# Allegro board RK3576_Template_LP5D315P132SD8_25x36_2400MHz_H1R0_V11_20240530YWQ.brd (continued)
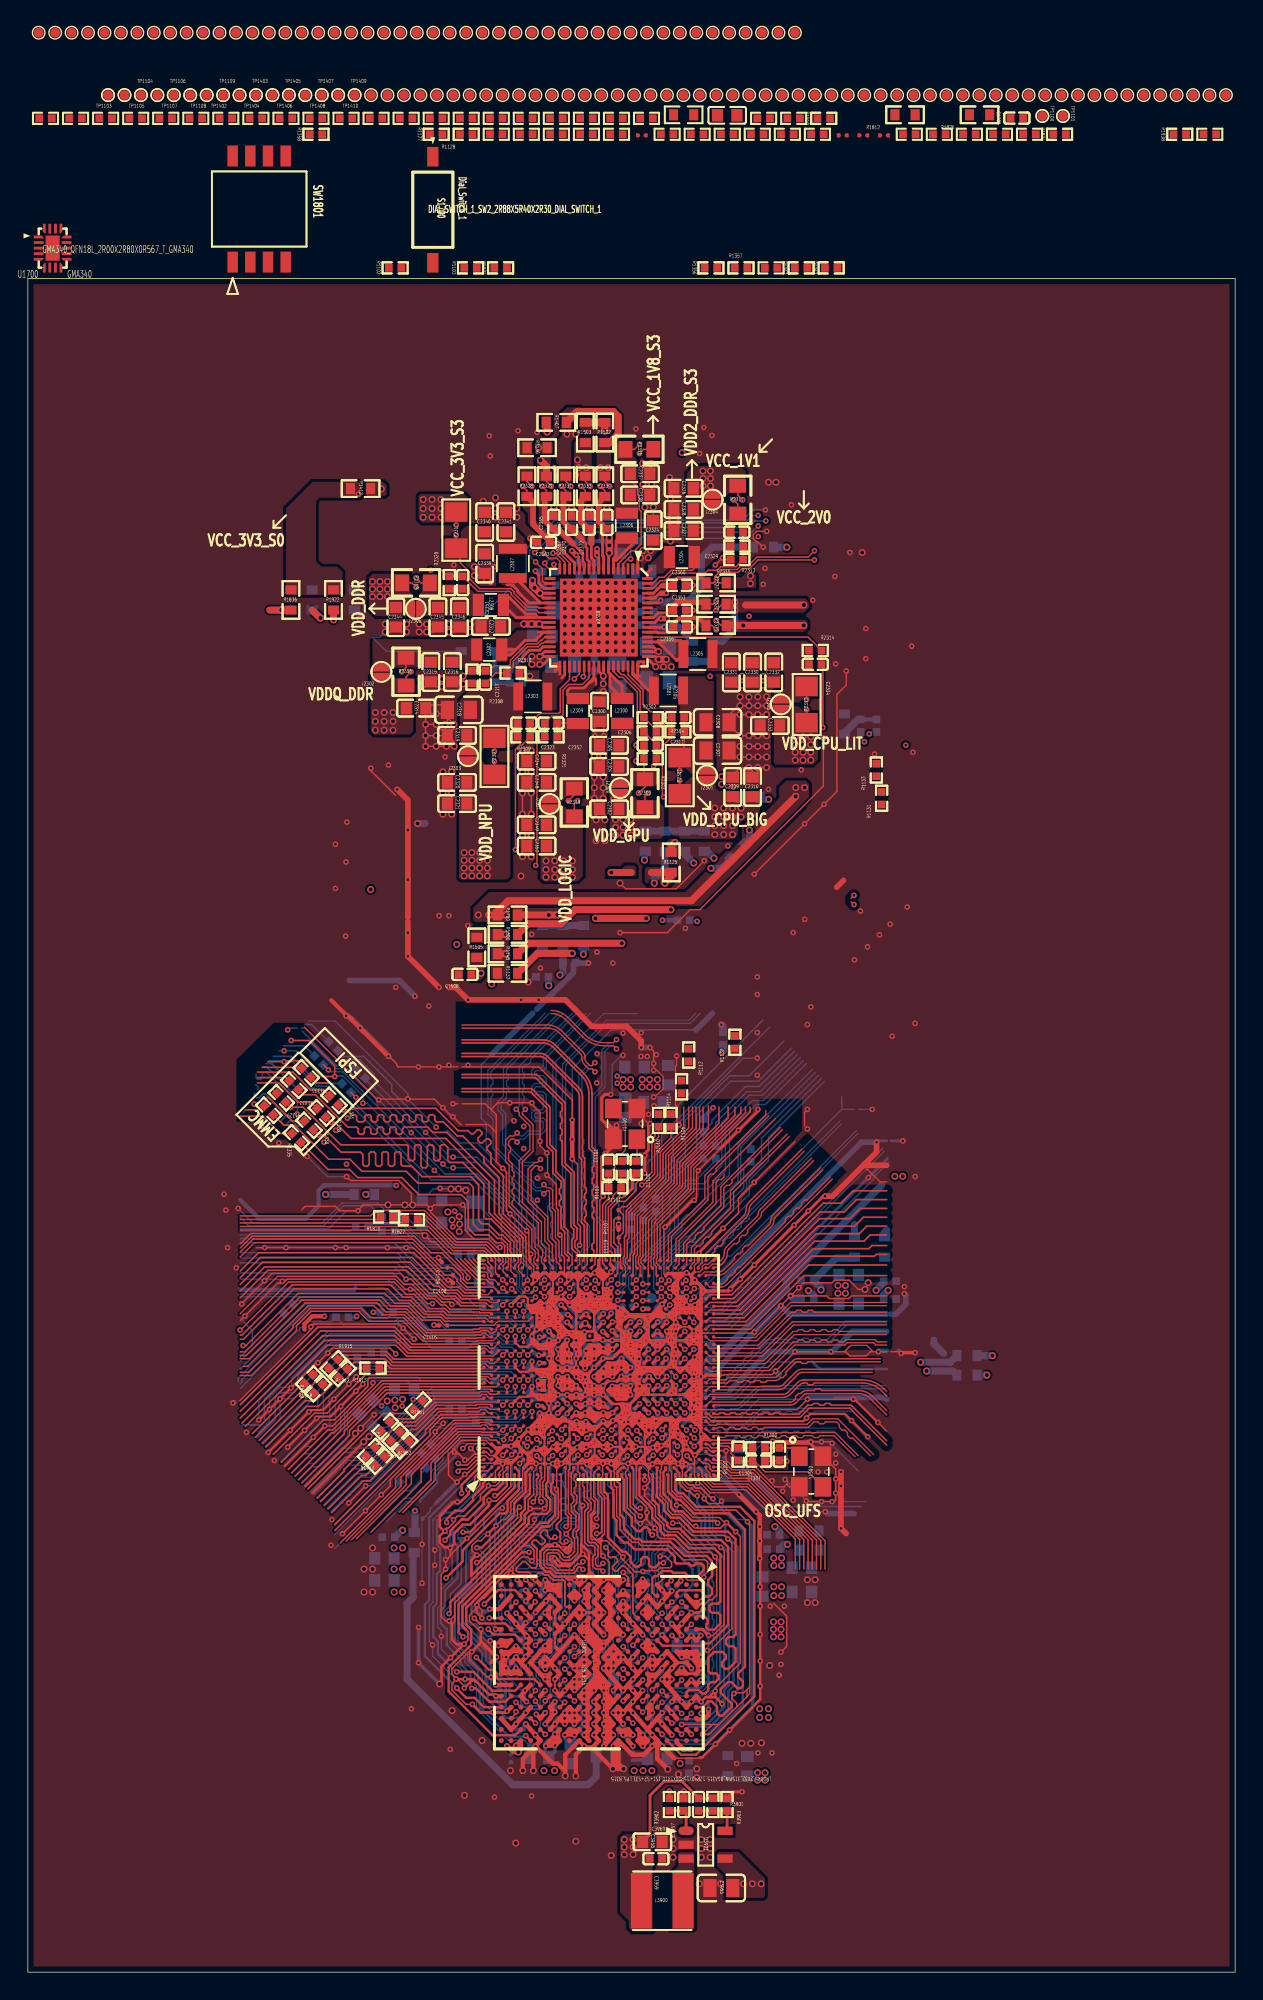
[diagram p0: board, top side]
## Footprints (pads in the part's own frame, mm; a bottom-side part is the same pattern mirrored in y, then rotated) (continued)
C0201
  custom 0.294x0.3 smd: 1(-0.275,0) 2(0.275,0)
C0402
  rect 0.55x0.55 smd: 1(-0.45,0) 2(0.45,0)
C0402_BGA
  custom 0.475x0.51 smd: 1(-0.47,0) 2(0.47,0)
C0603
  rect 0.8x0.9 smd: 1(-0.7,0) 2(0.7,0)
C0805
  rect 0.95x1.3 smd: 1(-0.825,0) 2(0.825,0)
CRY4_3R20X2R50X0R80
  rect 1.4x1.2 smd: 1(-1.1,-0.85) 2(1.1,-0.85) 3(1.1,0.85) 4(-1.1,0.85)
ESD0603
  rect 0.6x1 smd: 1(-0.61,-0.02) 2(0.597,0)
IND_201610
  rect 0.8x1.6 smd: 1(-0.9,0) 2(0.9,0)
IND_252012
  rect 0.7x2 smd: 1(-1.05,0) 2(1.05,0)
IND_404026
  rect 1.5x4 smd: 1(-1.5,0) 2(1.5,0)
OPEN
  custom 1.199x0.599 smd: 1(0,-0.343) 2(0,0.343)
QFN18L_2R00X2R80X0R567_T
  custom 0.7x0.2 smd: 1(-1,0.8) 5(-1,-0.8) 10(1,-0.8) 14(1,0.8)
  rect 0.7x0.2 smd: 2(-1,0.4) 3(-1,0) 4(-1,-0.4) 11(1,-0.4) 12(1,0) 13(1,0.4)
  custom 0.2x0.7 smd: 6(-0.6,-1.4) 9(0.6,-1.4) 15(0.6,1.4) 18(-0.6,1.4)
  rect 0.2x0.7 smd: 7(-0.2,-1.4) 8(0.2,-1.4) 16(0.2,1.4) 17(-0.2,1.4)
  rect 1x1.8 smd: 19(0,0)
QFN68_7R00X7R00X0R80_T
  oval 0.8x0.2 smd: 1(-3.5,2.8)
  rect 0.8x0.2 smd: 2(-3.5,2.45) 3(-3.5,2.1) 4(-3.5,1.75) 5(-3.5,1.4) 6(-3.5,1.05) 7(-3.5,0.7) 8(-3.5,0.35) 9(-3.5,0) 10(-3.5,-0.35) 11(-3.5,-0.7) 12(-3.5,-1.05) 13(-3.5,-1.4) 14(-3.5,-1.75) 15(-3.5,-2.1) 16(-3.5,-2.45) 17(-3.5,-2.8) 35(3.5,-2.8) 36(3.5,-2.45) 37(3.5,-2.1) 38(3.5,-1.75) 39(3.5,-1.4) 40(3.5,-1.05) 41(3.5,-0.7) 42(3.5,-0.35) 43(3.5,0) 44(3.5,0.35) 45(3.5,0.7) 46(3.5,1.05) 47(3.5,1.4) 48(3.5,1.75) 49(3.5,2.1) 50(3.5,2.45) 51(3.5,2.8)
  rect 0.2x0.8 smd: 18(-2.8,-3.5) 19(-2.45,-3.5) 20(-2.1,-3.5) 21(-1.75,-3.5) 22(-1.4,-3.5) 23(-1.05,-3.5) 24(-0.7,-3.5) 25(-0.35,-3.5) 26(0,-3.5) 27(0.35,-3.5) 28(0.7,-3.5) 29(1.05,-3.5) 30(1.4,-3.5) 31(1.75,-3.5) 32(2.1,-3.5) 33(2.45,-3.5) 34(2.8,-3.5) 52(2.8,3.5) 53(2.45,3.5) 54(2.1,3.5) 55(1.75,3.5) 56(1.4,3.5) 57(1.05,3.5) 58(0.7,3.5) 59(0.35,3.5) 60(0,3.5) 61(-0.35,3.5) 62(-0.7,3.5) 63(-1.05,3.5) 64(-1.4,3.5) 65(-1.75,3.5) 66(-2.1,3.5) 67(-2.45,3.5) 68(-2.8,3.5)
  rect 5.6x5.6 smd: 69(0,0)
R0201
  custom 0.294x0.3 smd: 1(-0.275,0) 2(0.275,0)
R0402
  rect 0.55x0.55 smd: 1(-0.45,0) 2(0.45,0)
R0603
  rect 0.65x0.8 smd: 1(-0.725,0) 2(0.725,0)
R0805
  rect 1x1.2 smd: 1(-1,0) 2(1,0)
R1206
  rect 1.4x1.6 smd: 1(-1.3,0) 2(1.3,0)
SOD_323
  rect 0.8x0.6 smd: 1(-1.2,0) 2(1.2,0)
SOT_23_5
  oval 1.1x0.6 smd: 1(-1.4,1)
  rect 1.1x0.6 smd: 2(-1.4,0) 3(-1.4,-1) 4(1.4,-1) 5(1.4,1)
SW2_2R88X5R40X2R30
  rect 0.8x1.4 smd: 1(0,3.81) 2(0,-3.81)
SW8_5R68X5R40X2R30
  rect 0.75x1.5 smd: 1(-1.905,-3.81) 2(-0.635,-3.81) 3(0.635,-3.81) 4(1.905,-3.81) 5(1.905,3.81) 6(0.635,3.81) 7(-0.635,3.81) 8(-1.905,3.81)
TP_0R70
  round 0.7 smd: 1(0,0)

## Nets
GND: C1000.2 C1001.2 C1002.2 C1003.2 C1004.2 C1005.2 C1006.2 C1007.2 C1008.2 C1009.2 C1010.2 C1011.2 C1012.2 C1013.2 C1014.2 C1015.2 C1016.2 C1017.2 C1018.2 C1020.2 C1021.2 C1022.2 C1023.2 C1024.2 C1026.2 C1027.2 C1028.2 C1029.2 C1030.2 C1031.2 C1032.2 C1033.2 C1034.2 C1035.2 C1036.2 C1037.2 C1038.2 C1039.2 C1040.2 C1100.2 C1101.2 C1102.2 C1103.2 C1104.2 C1105.2 C1106.2 C1107.2 C1108.2 C1109.2 C1110.2 C1111.2 C1112.2 C1113.2 C1114.2 C1115.2 C1116.2 C1117.2 C1118.2 C1119.2 C1200.2 C1201.2 C1202.2 C1203.2 C1204.2 C1205.2 C1206.2 C1207.2 C1208.2 C1209.2 C1210.2 C1211.2 C1214.2 C1300.2 C1301.2 C1302.2 C1303.2 C1304.2 C1305.2 C1306.2 C1307.2 C1308.2 C1309.2 C1400.2 C1401.2 C1402.2 C1403.2 C1404.2 C1405.2 C1406.2 C1407.2 C1408.2 C1409.2 C1500.2 C1501.2 C1502.2 C1503.2 C1504.2 C1505.2 C1506.2 C1507.2 C1508.2 C1509.2 C1510.2 C1600.2 C1601.2 C1602.2 C1603.2 C1700.2 C1701.2 C1702.2 C1703.2 C1704.2 C1705.2 C1706.2 C1800.2 C1801.2 C1802.2 C1900.2 C1901.2 C1902.2 C1903.2 C2300.2 C2301.2 C2302.2 C2304.2 C2305.2 C2307.2 C2308.2 C2309.2 C2310.2 C2312.2 C2313.2 C2314.2 C2315.2 C2316.2 C2318.2 C2319.2 C2320.2 C2321.2 C2324.2 C2325.2 C2326.2 C2327.2 C2328.2 C2330.2 C2331.2 C2332.2 C2333.2 C2335.2 C2336.2 C2337.2 C2338.2 C2339.2 C2340.2 C2341.2 C2342.2 C2343.2 C2344.2 C2345.2 C2346.2 C2347.2 C2348.2 C2349.2 C2350.2 C2353.2 C2354.2 C2355.2 C2356.2 C2357.2 C2358.2 C2359.2 C2360.2 C2362.2 C2363.2 C2364.2 C2365.2 C2366.2 C2367.2 C2368.2 C2369.2 C2370.2 C2371.2 C2372.2 C3900.2 C3901.2 C3902.2 C3903.2 C3904.2 C3905.2 C3906.2 C3907.2 C3908.2 C3909.2 C3910.2 C3911.2 C3912.2 C3913.2 C3914.2 C3915.2 C3916.2 C3917.2 C3918.2 C3919.2 C3920.2 C3921.2 C3922.2 C3923.2 C3924.2 C3925.2 C3926.2 C3927.2 C3928.2 C3929.2 C3930.2 C3931.2 C3932.2 C3933.2 C3934.2 C3935.2 C3936.2 C3937.2 C3938.2 C3939.2 C3940.2 C3941.2 C3942.2 C3943.2 C3944.2 C3945.2 C3946.2 C3947.2 C3948.2 C3949.2 C3950.2 C3951.2 C3952.2 C3953.2 C3954.2 C3955.2 C3956.2 C3958.2 C3959.2 C3960.2 C3961.2 C3962.2 C3963.2 C3964.2 C3965.2 C3966.2 C3967.2 C3968.2 C3969.2 C3970.2 D2300.2(ANODE) D2301.1(A) R1103.2 R1203.2 R1301.2 R1400.2 R1401.2 R1402.2 R1406.2 R1600.2 R1712.1 R2305.2 R2310.2 R2315.2 R2332.2 R3903.2 S1700.2(A2) U1000.1A2(VSS_7) U1000.1A3(VSS_8) U1000.1AA2(VSS_91) U1000.1AA4(VSS_92) U1000.1AA21(VSS_93) U1000.1AA24(VSS_94) U1000.1AB2(VSS_95) U1000.1AB5(VSS_96) U1000.1AB6(VSS_97) U1000.1AB20(AVSS_10) U1000.1AB21(AVSS_11) U1000.1AB22(AVSS_12) U1000.1AB23(AVSS_13) U1000.1AB24(AVSS_14) U1000.1AC1(VSS_98) U1000.1AC2(VSS_99) U1000.1AC3(VSS_100) U1000.1AC4(VSS_101) U1000.1AC5(VSS_102) U1000.1AC20(AVSS_15) U1000.1AC21(AVSS_16) U1000.1AC24(AVSS_17) U1000.1AD3(VSS_103) U1000.1AD20(AVSS_18) U1000.1AD23(AVSS_19) U1000.1AD24(AVSS_20) U1000.1AE3(VSS_104) U1000.1AE4(AVSS_21) U1000.1AE6(AVSS_22) U1000.1AE20(AVSS_23) U1000.1AE21(AVSS_24) U1000.1AE23(AVSS_25) U1000.1B2(VSS_9) U1000.1C2(VSS_10) U1000.1C4(VSS_11) U1000.1C9(VSS_12) U1000.1C13(VSS_13) U1000.1C16(VSS_14) U1000.1C21(VSS_15) U1000.1D1(VSS_16) U1000.1D3(VSS_17) U1000.1D5(VSS_18) U1000.1E2(VSS_19) U1000.1E3(VSS_20) U1000.1E5(VSS_21) U1000.1E6(VSS_22) U1000.1E10(VSS_23) U1000.1E13(VSS_24) U1000.1E16(VSS_25) U1000.1E23(VSS_26) U1000.1E24(VSS_27) U1000.1F3(VSS_28) U1000.1F5(VSS_29) U1000.1F6(VSS_30) U1000.1F20(VSS_31) U1000.1F21(VSS_32) U1000.1F24(VSS_33) U1000.1G3(VSS_34) U1000.1G6(VSS_35) U1000.1G20(VSS_36) U1000.1G21(VSS_37) U1000.1G22(VSS_38) U1000.1G24(VSS_39) U1000.1H1(VSS_40) U1000.1H2(VSS_41) U1000.1H3(VSS_42) U1000.1H4(VSS_43) U1000.1H6(VSS_44) U1000.1H20(VSS_45) U1000.1H21(AVSS1_3) U1000.1H24(AVSS1_4) U1000.1J2(VSS_46) U1000.1J4(VSS_47) U1000.1J21(AVSS1_5) U1000.1J22(AVSS1_6) U1000.1J23(AVSS1_7) U1000.1J24(AVSS1_8) U1000.1K3(VSS_48) U1000.1K6(VSS_49) U1000.1K20(AVSS1_9) U1000.1K21(AVSS1_10) U1000.1K24(AVSS1_11) U1000.1L2(VSS_50) U1000.1L3(VSS_51) U1000.1L4(VSS_52) U1000.1L5(VSS_53) U1000.1L6(VSS_54) U1000.1L20(AVSS1_12) U1000.1L21(AVSS1_13) U1000.1L22(AVSS1_14) U1000.1L24(AVSS1_15) U1000.1M1(VSS_55) U1000.1M2(VSS_56) U1000.1M4(VSS_57) U1000.1M6(VSS_58) U1000.1M20(AVSS1_16) U1000.1M21(AVSS1_17) U1000.1M22(AVSS1_18) U1000.1M24(AVSS1_19) U1000.1N2(VSS_59) U1000.1N4(VSS_60) U1000.1N6(VSS_61) U1000.1N20(AVSS1_20) U1000.1N21(AVSS1_21) U1000.1N24(AVSS1_22) U1000.1P2(VSS_62) U1000.1P3(VSS_63) U1000.1P4(VSS_64) U1000.1P6(VSS_65) U1000.1P20(VSS_66) U1000.1P21(VSS_67) U1000.1P22(VSS_68) U1000.1P24(VSS_69) U1000.1R1(VSS_70) U1000.1R2(VSS_71) U1000.1T3(VSS_72) U1000.1T5(VSS_73) U1000.1T6(VSS_74) U1000.1T20(VSS_75) U1000.1U2(VSS_76) U1000.1U3(VSS_77) U1000.1U4(VSS_78) U1000.1U6(VSS_79) U1000.1V2(VSS_80) U1000.1V6(VSS_81) U1000.1W1(VSS_82) U1000.1W3(VSS_83) U1000.1W5(VSS_84) U1000.1W6(VSS_85) U1000.1Y2(VSS_86) U1000.1Y3(VSS_87) U1000.1Y4(VSS_88) U1000.1Y5(VSS_89) U1000.1Y6(VSS_90) U1000.1Y20(AVSS_9) U1000.2A1(VSS_105) U1000.2A3(VSS_106) U1000.2A6(VSS_107) U1000.2A9(VSS_108) U1000.2A11(VSS_109) U1000.2A12(VSS_110) U1000.2B1(VSS_111) U1000.2B3(VSS_112) U1000.2B4(VSS_113) U1000.2B5(VSS_114) U1000.2B6(VSS_115) U1000.2B7(VSS_116) U1000.2B8(VSS_117) U1000.2B9(VSS_118) U1000.2B11(VSS_119) U1000.2B12(VSS_120) U1000.2C1(VSS_121) U1000.2C6(VSS_122) U1000.2C10(VSS_123) U1000.2C11(VSS_124) U1000.2C12(VSS_125) U1000.2D3(VSS_126) U1000.2D6(VSS_127) U1000.2D9(VSS_128) U1000.2D10(AVSS1_23) U1000.2E3(VSS_129) U1000.2E5(VSS_130) U1000.2E6(VSS_131) U1000.2E8(VSS_132) U1000.2E9(VSS_133) U1000.2E10(AVSS1_24) U1000.2F4(VSS_134) U1000.2F5(VSS_135) U1000.2F6(VSS_136) U1000.2G4(VSS_137) U1000.2G7(VSS_138) U1000.2G10(VSS_139) U1000.2G12(PLL_AVSS) U1000.2H3(VSS_140) U1000.2H5(VSS_141) U1000.2H10(TVSS) U1000.2J1(VSS_142) U1000.2J5(VSS_143) U1000.2J8(VSS_144) U1000.2J11(VSS_145) U1000.2J12(VSS_146) U1000.2K1(VSS_147) U1000.2K2(VSS_148) U1000.2K5(VSS_149) U1000.2K8(VSS_150) U1000.2K9(VSS_151) U1000.2K10(VSS_152) U1000.2K12(VSS_153) U1000.2L1(VSS_154) U1000.2L3(VSS_155) U1000.2L4(VSS_156) U1000.2L5(VSS_157) U1000.2L6(VSS_158) U1000.2L7(VSS_159) U1000.2L8(VSS_160) U1000.2L9(VSS_161) U1000.2L12(VSS_162) U1000.2M1(AVSS_26) U1000.2M4(AVSS_27) U1000.2M6(AVSS_28) U1000.2M9(AVSS_29) U1000.2M10(AVSS_30) U1000.2M11(AVSS_31) U1000.2M12(AVSS_32) U1000.2N1(AVSS_33) U1000.2N6(AVSS_34) U1000.2N8(AVSS_35) U1000.2N9(AVSS_36) U1000.2N12(AVSS_37) U1000.2P1(AVSS_38) U1000.2P6(AVSS_39) U1000.2P9(AVSS_40) U1000.2P12(AVSS_41) U1000.2R1(AVSS_42) U1000.2R4(AVSS_43) U1000.2R5(AVSS_44) U1000.2R7(AVSS_45) U1000.2R8(AVSS_46) U1000.2R9(AVSS_47) U1000.2R10(AVSS_48) U1000.2R11(AVSS_49) U1000.2R12(AVSS_50) U1000.2T1(AVSS_51) U1000.2T6(AVSS_52) U1000.2T8(AVSS_53) U1000.2T11(AVSS_54) U1000.2U1(AVSS_55) U1000.2U2(AVSS_56) U1000.2U3(AVSS_57) U1000.2U4(AVSS_58) U1000.2U5(AVSS_59) U1000.2U6(AVSS_60) U1000.2U7(AVSS_61) U1000.2U9(AVSS_62) U1000.2U10(AVSS_63) U1000.2U11(AVSS_64) U1000.2V1(AVSS_65) U1000.2V2(AVSS_66) U1000.2V3(AVSS_67) U1000.2V4(AVSS_68) U1000.2V5(AVSS_69) U1000.2V6(AVSS_70) U1000.2V7(AVSS_71) U1000.2V8(AVSS_72) U1000.2V9(AVSS_73) U1000.2V10(AVSS_74) U1000.2V11(AVSS_75) U1000.2V12(AVSS_76) U1000.A1(VSS_0) U1000.A4(VSS_1) U1000.A29(VSS_2) U1000.AJ29(AVSS_0) U1000.AK6(AVSS_1) U1000.AK14(AVSS_2) U1000.AK25(AVSS_3) U1000.AL1(VSS_6) U1000.AL4(AVSS_4) U1000.AL8(AVSS_5) U1000.AL14(AVSS_6) U1000.AL25(AVSS_7) U1000.AL29(AVSS_8) U1000.B5(VSS_3) U1000.C1(VSS_4) U1000.G29(AVSS1_0) U1000.T28(AVSS1_1) U1000.T29(AVSS1_2) U1000.V28(VSS_5) U1700.18(GND) U1700.19(EPAD) U2300.69(EPAD) U3900.A5(VSS_1) U3900.A11(VSS_2) U3900.AA5(VSS_101) U3900.AA11(VSS_102) U3900.B4(VSS_3) U3900.B8(VSS_4) U3900.B12(VSS_5) U3900.C5(VSS_6) U3900.C8(VSS_7) U3900.C11(VSS_8) U3900.D2(VSS_9) U3900.D6(VSS_10) U3900.D7(VSS_11) U3900.D9(VSS_12) U3900.D10(VSS_13) U3900.D14(VSS_14) U3900.E1(VSS_15) U3900.E3(VSS_16) U3900.E8(VSS_17) U3900.E13(VSS_18) U3900.E15(VSS_19) U3900.F2(VSS_20) U3900.F8(VSS_21) U3900.F14(VSS_22) U3900.G3(VSS_23) U3900.G5(VSS_24) U3900.G7(VSS_25) U3900.G9(VSS_26) U3900.G11(VSS_27) U3900.G13(VSS_28) U3900.H3(VSS_29) U3900.H4(VSS_30) U3900.H6(VSS_31) U3900.H8(VSS_32) U3900.H10(VSS_33) U3900.H12(VSS_34) U3900.J1(VSS_35) U3900.J3(VSS_36) U3900.J7(VSS_37) U3900.J8(VSS_38) U3900.J10(VSS_39) U3900.J12(VSS_40) U3900.J13(VSS_41) U3900.J15(VSS_42) U3900.K7(VSS_43) U3900.K8(VSS_44) U3900.K9(VSS_45) U3900.L1(VSS_46) U3900.L2(VSS_47) U3900.L3(VSS_48) U3900.L4(VSS_49) U3900.L5(VSS_50) U3900.L11(VSS_51) U3900.L12(VSS_52) U3900.L13(VSS_53) U3900.L14(VSS_54) U3900.L15(VSS_55) U3900.M7(VSS_56) U3900.M8(VSS_57) U3900.M9(VSS_58) U3900.N1(VSS_59) U3900.N3(VSS_60) U3900.N4(VSS_61) U3900.N6(VSS_62) U3900.N8(VSS_63) U3900.N9(VSS_64) U3900.N10(VSS_65) U3900.N12(VSS_66) U3900.N13(VSS_67) U3900.N15(VSS_68) U3900.P4(VSS_69) U3900.P6(VSS_70) U3900.P8(VSS_71) U3900.P10(VSS_72) U3900.P12(VSS_73) U3900.P13(VSS_74) U3900.R3(VSS_75) U3900.R5(VSS_76) U3900.R7(VSS_77) U3900.R9(VSS_78) U3900.R11(VSS_79) U3900.R13(VSS_80) U3900.T2(VSS_81) U3900.T8(VSS_82) U3900.T14(VSS_83) U3900.U1(VSS_84) U3900.U3(VSS_85) U3900.U8(VSS_86) U3900.U13(VSS_87) U3900.U15(VSS_88) U3900.V2(VSS_89) U3900.V6(VSS_90) U3900.V7(VSS_91) U3900.V9(VSS_92) U3900.V10(VSS_93) U3900.V14(VSS_94) U3900.W5(VSS_95) U3900.W8(VSS_96) U3900.W11(VSS_97) U3900.Y4(VSS_98) U3900.Y8(VSS_99) U3900.Y12(VSS_100) U3901.2(GND) Y1100.2(GND#2) Y1100.4(GND#4) Y1300.2(GND#2) Y1300.4(GND#4)
VCC3V3_GMA340_S0: C1705.1 C1706.1 R1702.2 R1707.1 U1700.17(VDD)
VCC5V0_SYS_S5: C2300.1 C2301.1 C2312.1 C2313.1 C2324.1 C2325.1 C2335.1 C2336.1 C2342.1 C2343.1 C2359.1 C2361.1 C2362.1 C3956.1 D2300.1(CATHODE) R2324.1 U2300.1(VCC9) U2300.7(VCC8) U2300.21(VCCA) U2300.22(VCC4) U2300.27(VCC10) U2300.28(VCC6) U2300.33(VCC2_1) U2300.34(VCC2_2) U2300.43(VCC7) U2300.44(VCC5) U2300.52(VCC1_1) U2300.53(VCC1_2) U2300.54(VCC3) U2300.64(VCC12) U3901.4(VIN)
VCC5V0_USB3_HOST1: R1405.2
VCC_1V1_NLDO_S3: C2364.1 C2371.1 U2300.9(VCC14) U2300.13(VCC13)
VCC_1V8_S0: R1346.2 R1937.2
VCC_1V8_S3: C3970.1 R1125.2 R2316.1 R3904.1
VCC_1V8_S3_P: C2337.1 C2338.1 L2306.1 R2316.2 U2300.5(VOUT8)
VCC_2V0_PLDO_S3: C2354.1 U2300.59(VCC11)
VCC_3V3_S0: R1412.2 R1702.1 R1836.2 R1922.2
VCC_3V3_S3: R1141.2 R2317.2 R3902.1
VCC_3V3_S3_P: C2339.1 C2340.1 C2341.1 L2307.2 R2317.1 U2300.24(VOUT4)
VCCA1V8_PLDO2_S0: C2355.1 R1147.2 U2300.58(PLDO2)
VCCA1V8_PLDO6_S3: C2357.1 U2300.20(VCCIO)
VCCA_1V8_S0: R1119.1 R1136.1 R1202.1 R1323.2 R1324.2 R1404.2 R1409.2 R1501.2 R1506.2 R1507.2 R1602.2 R1701.2 R2322.2
VCCA_1V8_S0_P: C2353.1 R2322.1 U2300.60(PLDO1)
VCCA_3V3_S0: R2326.2
VCCA_3V3_S0_P: C2358.1 R2326.1 U2300.63(PLDO4)
VCCIO0_1V8: C1308.1 R1346.1 U1000.1J20(VCCIO0_VCC1V8)
VCCIO1: C1309.1 R1354.1 U1000.2A8(VCCIO1_VCC)
VCCIO2: C1800.1 R1800.1 R1801.1 R1812.1 U1000.2A2(VCCIO2_VCC)
VCCIO3: C1801.1 R1826.1 U1000.2B10(VCCIO3_VCC)
VCCIO4: C1900.1 C1901.1 R1909.1 R1910.1 R1916.1 R1917.1 R1922.1 U1000.2A7(VCCIO4_VCC)
VCCIO5: C1902.1 C1903.1 R1926.1 R1927.1 R1934.1 R1935.1 R1937.1 U1000.2A4(VCCIO5_VCC_0) U1000.2A5(VCCIO5_VCC_1)
VCCIO6: C1802.1 R1836.1 R1845.1 R1846.1 U1000.2N3(VCCIO6_VCC)
VCCIO7_VCC: C1300.1 R1308.1 U1000.2M3(VCCIO7_VCC)
VCCIO_AUDIO: R1812.2
VCCIO_SD_S0: R1354.2 R2327.2
VCCIO_SD_S0_P: C2360.1 R2327.1 U2300.65(PLDO5)
VCCIO_WL: R1826.2
VDD1_1V8_DDR_S3: C3902.1 C3903.1 C3904.1 C3905.1 R3904.2 U3900.C1(VDD1_1) U3900.C15(VDD1_2) U3900.W1(VDD1_3) U3900.W15(VDD1_4)
VDD2_DDR_S3_P: C2327.1 C2328.1 C2329.1 J2304.2 L2304.1 R2311.2 R2313.1 U2300.67(VOUT9)
VDD2H_DDR_S3: C2326.1 C3926.1 C3927.1 C3928.1 C3929.1 C3930.1 C3931.1 C3932.1 C3933.1 C3934.1 C3935.1 C3936.1 C3937.1 C3938.1 C3939.1 C3940.1 C3941.1 C3942.1 C3943.1 C3944.1 C3945.1 C3946.1 C3947.1 C3948.1 C3949.1 C3950.1 C3951.1 C3952.1 C3953.1 C3954.1 C3955.1 J2304.1 R2311.1 R3906.1 U3900.A7(VDD2H_1) U3900.A8(VDD2H_2) U3900.A9(VDD2H_3) U3900.AA7(VDD2H_59) U3900.AA8(VDD2H_60) U3900.AA9(VDD2H_61) U3900.B7(VDD2H_4) U3900.B9(VDD2H_5) U3900.C7(VDD2H_6) U3900.C9(VDD2H_7) U3900.D8(VDD2H_8) U3900.E7(VDD2H_9) U3900.E9(VDD2H_10) U3900.F6(VDD2H_11) U3900.F7(VDD2H_12) U3900.F9(VDD2H_13) U3900.F10(VDD2H_14) U3900.J5(VDD2H_15) U3900.J11(VDD2H_16) U3900.K1(VDD2H_17) U3900.K2(VDD2H_18) U3900.K3(VDD2H_19) U3900.K4(VDD2H_20) U3900.K5(VDD2H_21) U3900.K6(VDD2H_22) U3900.K10(VDD2H_23) U3900.K11(VDD2H_24) U3900.K12(VDD2H_25) U3900.K13(VDD2H_26) U3900.K14(VDD2H_27) U3900.K15(VDD2H_28) U3900.L6(VDD2H_29) U3900.L7(VDD2H_30) U3900.L8(VDD2H_31) U3900.L9(VDD2H_32) U3900.L10(VDD2H_33) U3900.M1(VDD2H_34) U3900.M2(VDD2H_35) U3900.M3(VDD2H_36) U3900.M4(VDD2H_37) U3900.M5(VDD2H_38) U3900.M6(VDD2H_39) U3900.M10(VDD2H_40) U3900.M11(VDD2H_41) U3900.M12(VDD2H_42) U3900.M13(VDD2H_43) U3900.M14(VDD2H_44) U3900.M15(VDD2H_45) U3900.N5(VDD2H_46) U3900.N11(VDD2H_47) U3900.T6(VDD2H_48) U3900.T7(VDD2H_49) U3900.T9(VDD2H_50) U3900.T10(VDD2H_51) U3900.U7(VDD2H_52) U3900.U9(VDD2H_53) U3900.V8(VDD2H_54) U3900.W7(VDD2H_55) U3900.W9(VDD2H_56) U3900.Y7(VDD2H_57) U3900.Y9(VDD2H_58)
VDD2L_0V9_DDR_S3: C3957.1 C3958.1 C3959.1 C3960.1 C3961.1 C3962.1 C3963.1 C3964.1 C3965.1 C3966.1 C3967.1 C3968.1 L3900.2 R3901.1 U3900.A6(VDD2L_1) U3900.A10(VDD2L_2) U3900.AA6(VDD2L_15) U3900.AA10(VDD2L_16) U3900.B6(VDD2L_3) U3900.B10(VDD2L_4) U3900.H2(VDD2L_5) U3900.H14(VDD2L_6) U3900.J2(VDD2L_7) U3900.J14(VDD2L_8) U3900.N2(VDD2L_9) U3900.N14(VDD2L_10) U3900.P2(VDD2L_11) U3900.P14(VDD2L_12) U3900.Y6(VDD2L_13) U3900.Y10(VDD2L_14)
VDD_0V75_S3: R1146.2 R2328.2
VDD_0V75_S3_P: C2363.1 R2328.1 U2300.14(NLDO1)
VDD_CPU_BIG_S0: C1000.1 C1001.1 C1002.1 C1003.1 C1004.1 C1005.1 C1006.1 C1007.1 C1008.1 C2309.1 C2310.1 C2311.2 J2301.2 R2301.2 R2304.2 U1000.2G5(CPU_BIG_DVDD_0) U1000.2G6(CPU_BIG_DVDD_1) U1000.2H6(CPU_BIG_DVDD_2) U1000.2H7(CPU_BIG_DVDD_3) U1000.2J6(CPU_BIG_DVDD_4) U1000.2J7(CPU_BIG_DVDD_5) U1000.2K6(CPU_BIG_DVDD_6) U1000.2K7(CPU_BIG_DVDD_7) U2300.49(VOUT1)
VDD_CPU_BIG_S0_P: C2307.1 C2308.1 C2311.1 J2301.1 L2301.2 R2301.1 R2304.1
VDD_CPU_LIT_S0: C1009.1 C1010.1 C1011.1 C1012.1 C1013.1 C1014.1 C2333.1 C2334.2 J2305.2 R2312.2 R2314.2 U1000.2H4(CPU_LIT_DVDD_0) U1000.2J3(CPU_LIT_DVDD_1) U1000.2J4(CPU_LIT_DVDD_2) U1000.2K3(CPU_LIT_DVDD_3) U1000.2K4(CPU_LIT_DVDD_4) U2300.56(VOUT3)
VDD_CPU_LIT_S0_P: C2330.1 C2331.1 C2332.1 C2334.1 J2305.1 L2305.2 R2312.1 R2314.1
VDD_DDR_S0: C1206.1 C1207.1 C1208.1 C1209.1 C1210.1 C1211.1 C2344.1 C2351.2 J2306.1 R2318.1 R2320.2 U1000.2E2(DDRPHY_DVDD_0) U1000.2F3(DDRPHY_DVDD_1) U1000.2G2(DDRPHY_DVDD_2) U1000.2G3(DDRPHY_DVDD_3) U1000.2H2(DDRPHY_DVDD_4) U2300.25(VOUT10)
VDD_DDR_S0_P: C2345.1 C2346.1 C2351.1 J2306.2 L2308.1 R2318.2 R2320.1
VDD_GPU_S0: C1026.1 C1027.1 C1028.1 C1029.1 C1030.1 C1031.1 C1039.1 C2302.1 C2306.2 J2300.1 R2300.1 R2302.1 R2303.2 U1000.2C4(GPU_DVDD_0) U1000.2C5(GPU_DVDD_1) U1000.2D4(GPU_DVDD_2) U1000.2D5(GPU_DVDD_3) U1000.2E4(GPU_DVDD_4) U2300.46(VOUT5)
VDD_GPU_S0_P: C2304.1 C2305.1 C2306.1 J2300.2 L2300.1 R2300.2 R2303.1
VDD_LOGIC_S0: C1015.1 C1016.1 C1017.1 C1018.1 C1020.1 C1021.1 C1022.1 C1023.1 C1024.1 C2349.1 C2350.1 C2352.2 J2307.2 R2319.2 R2321.2 U1000.2E7(LOGIC_DVDD_0) U1000.2F7(LOGIC_MEM_DVDD_0) U1000.2F8(LOGIC_DVDD_1) U1000.2F9(LOGIC_DVDD_2) U1000.2G8(LOGIC_DVDD_3) U1000.2G9(LOGIC_DVDD_4) U1000.2H8(LOGIC_DVDD_5) U1000.2H9(LOGIC_DVDD_6) U1000.2J9(LOGIC_MEM_DVDD_1) U2300.41(VOUT7)
VDD_LOGIC_S0_P: C2347.1 C2348.1 C2352.1 J2307.1 L2309.2 R2319.1 R2321.1
VDD_NPU_S0: C1032.1 C1033.1 C1034.1 C1035.1 C1036.1 C1037.1 C1038.1 C1040.1 C2320.1 C2321.1 C2323.2 J2303.2 R2307.2 R2309.2 U1000.2C7(NPU_DVDD_0) U1000.2C8(NPU_DVDD_1) U1000.2C9(NPU_DVDD_2) U1000.2D7(NPU_DVDD_3) U1000.2D8(NPU_DVDD_4) U2300.37(VOUT2)
VDD_NPU_S0_P: C2318.1 C2319.1 C2323.1 J2303.1 L2303.2 R2307.1 R2309.1
VDDA0V75_HDMI_S0_P: C2367.1 R2331.1 U2300.11(NLDO3)
VDDA_0V75_S0: R1132.1 R1148.2 R1407.2 R1500.2 R1502.2 R1505.2 R2334.2
VDDA_0V75_S0_P: C2372.1 R2334.1 U2300.8(NLDO5)
VDDA_0V85_S0: R1320.2 R1403.2 R1503.2 R1700.2 R2333.2
VDDA_0V85_S0_P: C2370.1 R2333.1 U2300.10(NLDO4)
VDDA_1V2_S0: R1308.2 R1504.2 R2325.2
VDDA_1V2_S0_P: C2356.1 R2325.1 U2300.57(PLDO3)
VDDA_DDR_PLL_S0: C1213.1 R2329.2 U1000.2C3(DDRPHY_PLL_DVDD)
VDDA_DDR_PLL_S0_P: C2365.1 R2329.1 U2300.12(NLDO2)
VDDA_HDMI_S0: C1600.1 C1601.1 R2331.2 U1000.2N11(HDMI_TX_EDP_TX_AVDDD0V75) U1000.2P11(HDMI_TX_EDP_TX_AVDDC0V75)
VDDQ_DDR_CKE_S3: C1214.1 C3901.1 R3906.2 U1000.2B2(DDRPHY_CKE_VDDQ)
VDDQ_DDR_S0: C1200.1 C1201.1 C1202.1 C1203.1 C1204.1 C1205.1 C2314.1 C3906.1 C3907.1 C3908.1 C3909.1 C3910.1 C3911.1 C3912.1 C3913.1 C3914.1 C3915.1 C3916.1 C3917.1 C3918.1 C3919.1 C3920.1 C3921.1 C3922.1 C3923.1 C3924.1 C3925.1 J2302.1 R1200.1 R1201.2 R2306.1 R3900.1 U1000.2D1(DDRPHY_CK_VDDQ) U1000.2E1(DDRPHY_VDDQ_0) U1000.2F1(DDRPHY_VDDQ_1) U1000.2F2(DDRPHY_VDDQ_2) U1000.2G1(DDRPHY_VDDQ_3) U1000.2H1(DDRPHY_VDDQ_4) U1000.2J2(DDRPHY_VDDQ_5) U3900.A3(VDDQ_1) U3900.A13(VDDQ_2) U3900.AA3(VDDQ_39) U3900.AA13(VDDQ_40) U3900.B2(VDDQ_3) U3900.B14(VDDQ_4) U3900.C3(VDDQ_5) U3900.C13(VDDQ_6) U3900.D4(VDDQ_7) U3900.D12(VDDQ_8) U3900.E5(VDDQ_9) U3900.E11(VDDQ_10) U3900.F1(VDDQ_11) U3900.F3(VDDQ_12) U3900.F4(VDDQ_13) U3900.F12(VDDQ_14) U3900.F13(VDDQ_15) U3900.F15(VDDQ_16) U3900.G1(VDDQ_17) U3900.G2(VDDQ_18) U3900.G14(VDDQ_19) U3900.G15(VDDQ_20) U3900.R1(VDDQ_21) U3900.R2(VDDQ_22) U3900.R14(VDDQ_23) U3900.R15(VDDQ_24) U3900.T1(VDDQ_25) U3900.T3(VDDQ_26) U3900.T4(VDDQ_27) U3900.T12(VDDQ_28) U3900.T13(VDDQ_29) U3900.T15(VDDQ_30) U3900.U5(VDDQ_31) U3900.U11(VDDQ_32) U3900.V4(VDDQ_33) U3900.V12(VDDQ_34) U3900.W3(VDDQ_35) U3900.W13(VDDQ_36) U3900.Y2(VDDQ_37) U3900.Y14(VDDQ_38)
VDDQ_DDR_S0_P: C2315.1 C2316.1 C2317.1 J2302.2 L2302.1 R2306.2 R2308.1 U2300.30(VOUT6)
32KOUT_RTC2SOC: R1111.2
BT_REG_ON_H: R1819.2
BT_WAKE_HOST_H: R1120.2
DDR_PLL_AVDD1V8: C1212.1 R1202.2 U1000.2D2(DDRPHY_PLL_AVDD1V8)
DDR_PLL_AVSS: C1212.2 C1213.2 R1203.1 U1000.2C2(DDRPHY_PLL_AVSS)
DP_TX_AUXN: TP1403.1 U1000.2T3(--               | DP_TX_AUXN)
DP_TX_AUXP: TP1402.1 U1000.2T2(--               | DP_TX_AUXP)
EMMC_CLKOUT: R1337.2
EMMC_CMD: R1336.2
EMMC_D0: R1328.2
EMMC_D1: R1329.2
EMMC_D2: R1330.2
EMMC_D3: R1331.2
EMMC_D4: R1332.2
EMMC_D5: R1333.2
EMMC_D6: R1334.2
EMMC_D7: R1335.2
EMMC_DATA_STROBE: R1338.2
EMMC_RSTN: R1339.2
ETH_CLK0_25M_OUT_M0: R1938.2
ETH_CLK1_25M_OUT_M0: R1900.2
FSPI0_CLK/EMMC_CLK: R1310.2 R1337.1
FSPI0_CSN0/EMMC_RSTN: R1339.1 U1000.1D23(PWM2_CH1_M0 | MIPI_TE_M3 | I2C7_SDA_M0   | UART6_RX_M2   | --           | --           | --           | FSPI0_CSN0 | EMMC_RSTN | GPIO1_B3_U)
FSPI0_D0/EMMC_D0: R1328.1 U1000.E28(--          | --         | I2C2_SCL_M1   | UART7_RTSN_M1 | --           | --           | SAI0_SCLK_M2 | FSPI0_D0   | EMMC_D0   | GPIO1_A0_U)
FSPI0_D1/EMMC_D1: R1329.1 U1000.E29(--          | --         | I2C2_SDA_M1   | UART7_CTSN_M1 | --           | --           | SAI0_LRCK_M2 | FSPI0_D1   | EMMC_D1   | GPIO1_A1_U)
FSPI0_D2/EMMC_D2: R1330.1 U1000.1C24(--          | --         | UART6_RTSN_M2 | UART7_TX_M1   | PDM0_SDI3_M1 | SAI0_SDI3_M2 | SAI0_SDO1_M2 | FSPI0_D2   | EMMC_D2   | GPIO1_A2_U)
FSPI0_D3/EMMC_D3: R1331.1 U1000.F28(--          | --         | UART6_CTSN_M2 | UART7_RX_M1   | PDM0_SDI1_M1 | SAI0_SDI2_M2 | SAI0_SDO2_M2 | FSPI0_D3   | EMMC_D3   | GPIO1_A3_U)
FSPI0_D4/EMMC_D4: R1332.1 U1000.1D24(--          | --         | --            | SPI0_CSN0_M2  | --           | SAI3_MCLK_M0 | SAI0_MCLK_M2 | --         | EMMC_D4   | GPIO1_A4_U)
FSPI0_D5/EMMC_D5: R1333.1 U1000.G28(--          | --         | I2C9_SCL_M0   | SPI0_MOSI_M2  | PDM0_SDI2_M1 | SAI3_SCLK_M0 | --           | --         | EMMC_D5   | GPIO1_A5_U)
FSPI0_D6/EMMC_D6: R1334.1 U1000.D28(--          | --         | I2C9_SDA_M0   | SPI0_MISO_M2  | PDM0_CLK1_M1 | SAI3_LRCK_M0 | --           | --         | EMMC_D6   | GPIO1_A6_U)
FSPI0_D7/EMMC_D7: R1335.1 U1000.1B24(--          | --         | --            | SPI0_CLK_M2   | --           | SAI3_SDI_M0  | SAI0_SDO0_M2 | --         | EMMC_D7   | GPIO1_A7_U)
FSPI0_DQS/EMMC_STRB: R1338.1 U1000.1F23(--          | --         | --            | SPI0_CSN1_M2  | PDM0_SDI0_M1 | SAI3_SDO_M0  | SAI0_SDI0_M2 | --         | EMMC_STRB | GPIO1_B2_D)
FSPI0_RSTN/EMMC_CMD: R1336.1 U1000.1F22(--          | --         | I2C7_SCL_M0   | UART6_TX_M2   | --           | --           | FSPI0_CSN1   | FSPI0_RSTN | EMMC_CMD  | GPIO1_B0_U)
GMAC0_MDC_M0: R1925.2
GMAC0_MDIO_M0: R1924.2
GMAC0_RSTN: TP1905.1 U1000.1C18(--          | SATA1_ACTLED_M0 | --               | SPI4_MISO_M3  | UART7_RTSN_M0  | PDM0_CLK0_M3 | SAI0_MCLK_M0 | ETH0_RXCLK_M1       | SDMMC1_DETN_M1      | VI_CIF_D8            | GPIO2_B5_D)
GMAC0_RXCLK_M0: TP1919.1 U1000.1A12(--          | I3C1_SDA_PU_M2 | SPI4_CLK_M1    | --             | FLEXBUS1_CSN_M2 | --              | FLEXBUS0_D11    | DSMC_CSN2   | SAI2_MCLK_M2 | ETH0_RXCLK_M0       | VO_EBC_SDDO2  | VO_LCDC_D2    | GPIO3_D1_D)
GMAC0_RXCTL_M0: TP1913.1 U1000.B13(--          | --             | UART10_RTSN_M0 | UART1_TX_M2    | --              | --              | FLEXBUS0_D5     | DSMC_DATA13 | PDM1_CLK1_M2 | ETH0_RXCTL_M0       | VO_EBC_VCOM   | VO_LCDC_D20   | GPIO3_A7_D)
GMAC0_RXD0_M0: TP1915.1 U1000.A13(--          | I2C8_SDA_M3    | --             | UART9_RX_M1    | --              | --              | FLEXBUS0_D3     | DSMC_DATA11 | PDM1_SDI1_M2 | ETH0_RXD0_M0        | VO_EBC_SDCE1  | VO_LCDC_D17   | GPIO3_B2_D)
GMAC0_RXD1_M0: TP1914.1 U1000.1A11(PWM1_CH3_M3 | --             | SPI4_CSN0_M1   | UART10_TX_M0   | --              | --              | FLEXBUS0_D4     | DSMC_DATA12 | PDM1_CLK0_M2 | ETH0_RXD1_M0        | VO_EBC_SDCE2  | VO_LCDC_D18   | GPIO3_B1_D)
GMAC0_RXD2_M0: TP1921.1 U1000.B12(PWM2_CH5_M3 | I3C1_SCL_M2    | --             | UART2_CTSN_M2  | --              | --              | FLEXBUS1_D2     | DSMC_CSN0   | SAI2_SDO_M2  | ETH0_RXD2_M0        | VO_EBC_SDDO0  | VO_LCDC_D0    | GPIO3_D3_D)
GMAC0_RXD3_M0: TP1920.1 U1000.1A10(PWM2_CH4_M3 | I3C1_SDA_M2    | SPI4_CSN1_M1   | UART2_RTSN_M2  | FLEXBUS0_CSN_M3 | FLEXBUS1_D15_M0 | FLEXBUS0_D12    | DSMC_CSN3   | SAI2_SDI_M2  | ETH0_RXD3_M0        | VO_EBC_SDDO1  | VO_LCDC_D1    | GPIO3_D2_D)
GMAC0_TXCLK_M0: R1931.2
GMAC0_TXCTL_M0: R1928.2
GMAC0_TXD0_M0: R1930.2
GMAC0_TXD1_M0: R1929.2
GMAC0_TXD2_M0: R1933.2
GMAC0_TXD3_M0: R1932.2
GMAC1_MDC_M0: R1920.2
GMAC1_MDIO_M0: R1921.2
GMAC1_RSTN: TP1912.1 U1000.1A19(--          | --              | CAN1_RX_M3       | SPI3_CSN0_M0  | UART3_RTSN_M0  | SPDIF_TX1_M1 | SAI3_SDI_M2  | ETH0_RXD1_M1        | ETH1_PTP_REFCLK_M0  | VI_CIF_CLKI          | GPIO3_A3_D)
GMAC1_RXCLK_M0: TP1908.1 U1000.1D15(PWM1_CH2_M2 | --              | --               | SPI1_MOSI_M1  | UART11_CTSN_M1 | PDM1_SDI2_M0 | SAI2_SCLK_M1 | ETH0_PPSTRIG_M1     | ETH1_RXCLK_M0       | VI_CIF_D3            | GPIO2_C2_D)